# Altium PCB PCB1_lsit.PcbDoc (part 2 of 2)
Units mil, origin at the board's own origin, x right, y up, seen from the top; angles counter-clockwise.
Board outline 2771.38 x 2850.31 mil, 2 copper layers (Top Layer, Bottom Layer); 97 components, 68 nets, 354 pads, 118 vias.
Unrouted connection lines stored in the file: 70.
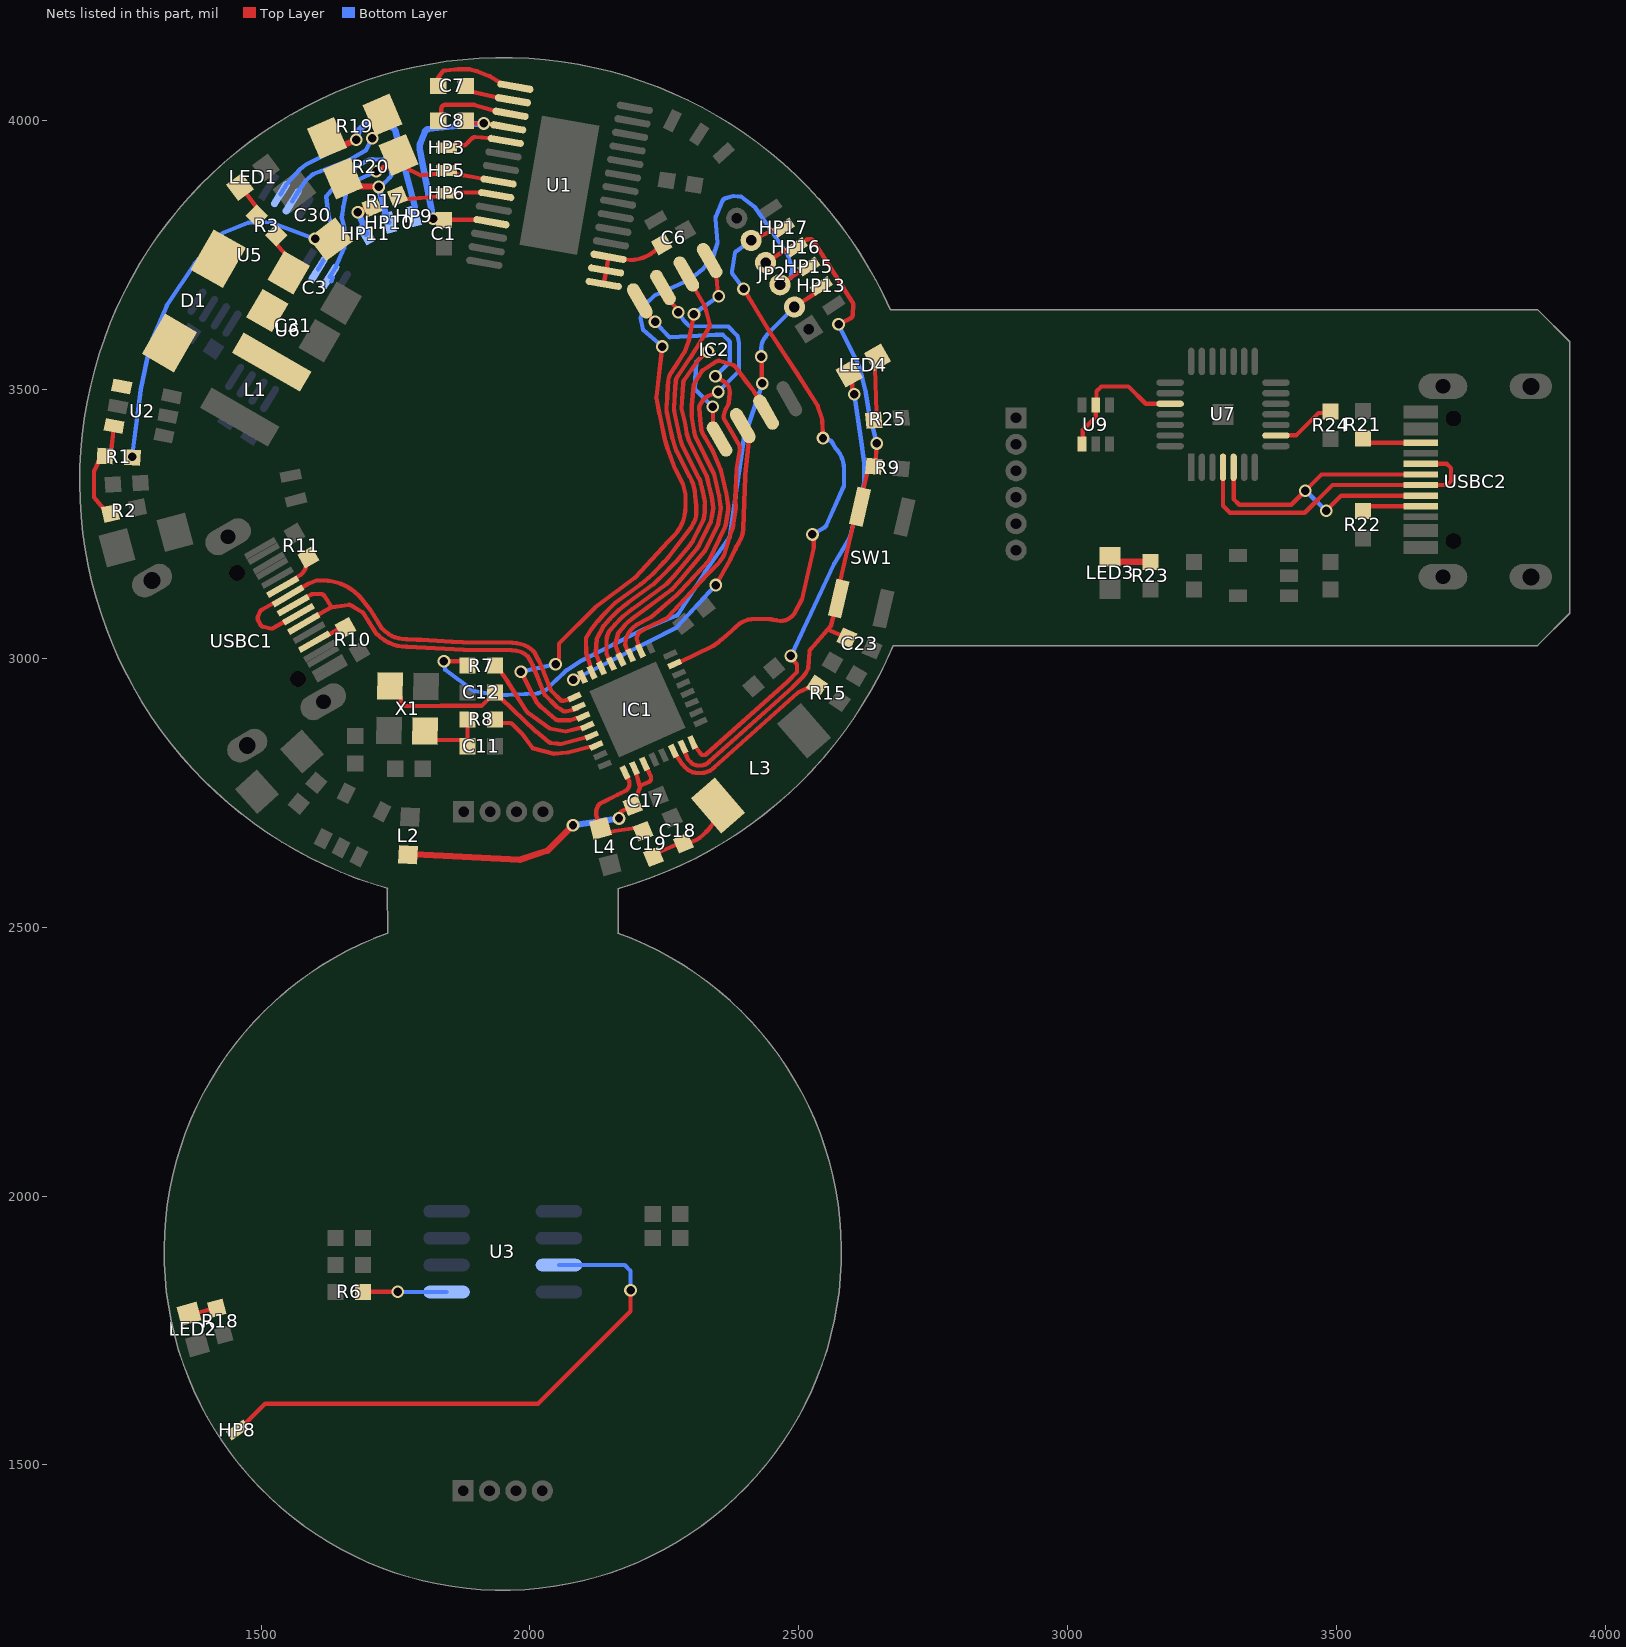
[diagram p2: the nets of this part, all layers, seen from the top]

## Via types
v1: diameter 23.62, hole 15.75, Top Layer to Bottom Layer, tented both sides, 106 vias
v2: diameter 23.62, hole 11.81, Top Layer to Bottom Layer, 8 vias
v3: diameter 24, hole 12, Top Layer to Bottom Layer, tented both sides, 3 vias
v4: diameter 24, hole 12, Top Layer to Bottom Layer, tented bottom, 1 vias

## Nets (pads, with @x,y where several pads share a name; then routed paths per layer and width w, separated by ;. In a path a pad name is that pad's centre, name@x,y a point inside that pad or via, vN(x,y) a via of type N, cw(c..) or ccw(c..) an arc to the next point about the centre after c; other vN are vias at no path point) (continued)
IO9: HP17.1 IC1.15 JP2.5 | length 1120.7
  Top Layer w8: IC1.15@2269.09,2989.63 2277.38,2992.64 2340.47,3023.26 2350.84,3030.66 2354.53,3034.35 2355.31,3034.35 2356.99,3035.77 2374.99,3051 2383.01,3059.02 cw(c2418.16,3023.87) 2418.16,3073.57 2428.8,3073.57 2445.71,3072.93 ; v1(2397.26,3687.34) 2402.93,3678.05 2412.28,3662.72 2442.42,3613.32 2494.61,3533.31 2535.07,3470.04 2542.25,3448.63 cw(c2521.57,3441.7) 2543.35,3442.79 v1(2545,3410) ; JP2.5@2411.39,3777.55 2455.24,3797.42 HP17.1@2471.58,3801.06 ; 2445.74,3072.93 cw(c2444.45,3036.95) 2445.9,3072.92 ; 2445.93,3072.92 cw(c2444.45,3036.95) 2451.57,3072.24 2451.83,3072.19 2458.51,3070.85 2465.19,3069.52 ccw(c2465.19,3101.16) 2487.56,3078.79 2491.33,3082.56 2505.81,3110.37 2507.82,3118.01 2528.07,3207.35 2528.07,3227.91 2525.72,3230.25 v1(2525.34,3230.64)
  Bottom Layer w8: v1(2397.26,3687.34) 2377.39,3714.59 2375.85,3716.7 2375.85,3719.31 2375.85,3719.93 2381.35,3755.03 2383.64,3757.31 2384.14,3757.68 JP2.5@2411.39,3777.55 ; v1(2525.34,3230.64) 2547.76,3243.7 ccw(c2543.74,3250.61) 2551.05,3247.36 2569.98,3289.95 cw(c2577.29,3286.7) 2570.03,3290.06 2583.49,3319.36 ccw(c2576.22,3322.7) 2584.12,3323.98 2584.12,3352.65 ccw(c2528.63,3352.65) 2567.87,3391.89 2561.52,3402.46 ; v1(2545,3410) 2557.19,3405.94 cw(c2554.66,3398.35) 2561.5,3402.49
NetC6_2: C6.2 U1.15 U1.16 U1.17 | length 159.3
  Top Layer w8: U1.15@2137.22,3696.6 U1.16@2141.66,3721.8 U1.17@2146.11,3747 2173.03,3742.25 2185.81,3741.18 ccw(c2185.81,3814.52) 2237.66,3762.66 C6.2@2245,3770
NetC7_1: C7.1 U1.1 | length 172.9
  Top Layer w8: C7.1@1829.41,4065 1827.79,4073.67 1827.65,4074.39 1827.65,4077.61 1836.57,4090.63 1839.08,4093.14 1851.19,4094.49 1865.72,4096.1 1888.22,4095.63 1902.07,4092.01 1925.59,4082.81 1950.54,4067.33 1952.05,4067.06 U1.1@1972.77,4063.41
NetC7_2: C7.2 U1.2 | length 93.9
  Top Layer w8: C7.2@1880.59,4065 1891.59,4054 1941.41,4042.95 U1.2@1968.33,4038.2
NetC8_2: C8.2 U1.3 | length 158.9
  Top Layer w8: C8.2@1829.41,4000 1835,4011 1835,4022 cw(c1843,4022) 1843,4030 1894.03,4030 cw(c1894.03,4022) 1896.28,4029.68 1936.96,4017.75 U1.3@1963.88,4013
NetC11_2: C11.2 R8.2 X1.1 | length 139.3
  Top Layer w8: X1.1@1805,2865 1824.34,2848.64 1872.74,2847.8 C11.2@1883.74,2836.8 1883.74,2875.8 R8.2@1883.74,2886.8
NetC12_1: C12.1 IC1.29 X1.3 | length 446.6
  Top Layer w8: X1.3@1739.52,2948.83 1759.59,2928.77 1759.59,2917.33 1765.25,2911.67 1833.76,2911.67 1833.89,2911.8 1909.93,2911.8 C12.1@1934.94,2936.81 1945.94,2925.81 2009.86,2865.14 2009.94,2865.07 ccw(c2016.75,2874.42) 2011.13,2864.31 2035.12,2844.55 ccw(c2040.22,2850.72) 2039.37,2842.76 ; 2039.41,2842.76 2052.42,2841.44 2058.13,2840.86 2106.25,2854.14 IC1.29@2114.9,2856.34
NetC17_2: C17.2 IC1.2 IC1.3 L2.2 | length 585.5
  Top Layer w8: v1(2165.59,2702.46) 2165.11,2702.94 2165.11,2709.13 2165.11,2710.83 2169.8,2715.52 2184.77,2722.61 C17.2@2191.11,2725.83 2197.44,2740.04 2204.06,2758.78 2204.58,2760.46 ccw(c2196.58,2760.35) 2204.24,2762.64 ; IC1.2@2194.71,2795.88 2196.91,2787.23 2204.24,2762.64 ; IC1.3@2212.7,2803.88 2217.38,2796.34 2225.01,2779.13 2225.01,2774.12 2222.67,2771.78 ; 2222.65,2771.76 2221.67,2770.78 2220.4,2770.19 2204.24,2762.64
  Top Layer w12: L2.2@1773.17,2635.05 1784.73,2636.02 1980.93,2625.74 2032.61,2642.61 v1(2080,2690)
  Bottom Layer w12: v1(2080,2690) 2161.91,2701.93 v1(2165.59,2702.46)
NetC18_2: C18.2 C19.2 L3.1 | length 166.1
  Top Layer w8: C19.2@2229.58,2631.27 2238.47,2638.64 2274.27,2654.58 C18.2@2285.4,2656.62 ccw(c2285.4,2707.85) 2287.83,2656.68 ccw(c2285.4,2707.85) 2294.7,2657.47 ccw(c2285.4,2707.85) 2321.63,2671.63 2330.48,2680.48 ccw(c2284.27,2726.7) 2347.54,2710.31 ccw(c2284.27,2726.7) L3.1@2349.62,2726.7
NetC19_1: C19.1 IC1.1 L4.2 | length 211.6
  Top Layer w8: L4.2@2129.03,2697.13 cw(c2143.15,2711.25) 2123.18,2711.25 2123.18,2713.52 cw(c2146.48,2713.52) 2130,2730 2140.02,2735.01 2162.93,2746.47 2168.61,2749.31 2178.61,2754.31 ccw(c2175.07,2761.48) 2181.37,2756.55 ccw(c2167.93,2767.07) 2185,2767.07 2185,2767.91 ccw(c2172.43,2767.91) 2181.32,2776.8 cw(c2192.39,2787.87) IC1.1@2176.73,2787.87 ; L4.2@2130.94,2683.81 2146.9,2676.43 2157.48,2679.26 2196.09,2684.81 C19.1@2210.41,2678.73
NetD1_1: D1.1 L1.1 U2.1
NetHP8_1: HP8.1 U3.3 | length 1035.1
  Top Layer w8: HP8.1@1456,1565 1458.42,1565 1507.42,1614 2015,1614 2187,1786 v1(2187,1825)
  Bottom Layer w8: U3.3@2053.86,1871.75 2176.25,1871.75 2187,1861 v1(2187,1825)
NetIC1_6: IC1.6 R15.2 | length 350
  Top Layer w8: IC1.6@2266.65,2827.9 2282.18,2804.66 2282.55,2804.11 2289.82,2796.38 ccw(c2312.22,2818.78) 2312.22,2787.1 2318.04,2787.1 ccw(c2318.04,2821.67) 2339.64,2794.68 ccw(c2318.04,2821.67) 2342.48,2797.23 2498.39,2936.8 2518.52,2946.34 R15.2@2533.79,2949.31 ; R15.2@2533.04,2953.19 R15.2@2538.79,2954.31
NetIC1_28: IC1.28 R7.1 | length 229.3
  Top Layer w8: R7.1@1934.93,2986.8 1945.93,2975.8 1958.25,2957.36 cw(c1949.94,2951.81) 1958.36,2957.2 1994.13,2901.31 ccw(c2000.87,2905.62) 1996.14,2899.17 2036.47,2869.84 2066.46,2864.14 2098.24,2872.12 IC1.28@2106.89,2874.32
NetIC1_30: IC1.30 R8.1 | length 214.4
  Top Layer w8: R8.1@1934.93,2886.8 1945.93,2880 1961.69,2880 cw(c1961.69,2872) 1967.36,2877.64 1984.6,2860.4 cw(c1978.93,2854.76) 1985.33,2859.56 2005.16,2833.12 2044.39,2822.67 2069.38,2824.94 ccw(c2068.65,2832.91) 2070.61,2825.15 2114.25,2836.16 IC1.30@2122.9,2838.35
NetLED1_1: LED1.1 R3.1 | length 64.8
  Top Layer w8: LED1.1@1460.79,3876.76 1471.52,3865.7 1491.9,3838.65 R3.1@1491.9,3823.09
NetLED2_1: LED2.1 R18.1 | length 52.4
  Top Layer w8: LED2.1@1366.15,1781.28 1381.57,1782.82 1406.57,1789.52 R18.1@1417.37,1791.72
NetLED3_1: LED3.1 R23.1 | length 79
  Top Layer w12: LED3.1@3079,3189.32 3088.72,3179.59 R23.1@3154,3179.59
NetLED4_1: LED4.1 R25.2 | length 121.6
  Top Layer w8: R25.2@2634.51,3442.77 2642.71,3452.54 2644.58,3454.77 2644.58,3457.83 2641.7,3539.51 2641.7,3540.57 2641.91,3541.46 LED4.1@2646.25,3560.16
NetR1_1: R1.1 R2.2 U2.3 | length 188.8
  Top Layer w8: R2.2@1219.97,3269.68 1206.93,3278.15 1189,3300.1 1189,3347.64 1197.88,3365.93 R1.1@1209.44,3376.34 1221,3386.74 1225.5,3424.54 U2.3@1226.49,3432.3
NetR6_1: R6.1 U3.5 | length 155.4
  Top Layer w8: R6.1@1689.59,1822 v1(1754,1822)
  Bottom Layer w8: v1(1754,1822) 1754.12,1821.88 1844.76,1821.88 U3.5@1844.88,1821.75
NetR10_2: R10.2 USBC1.B5 | length 64.4
  Top Layer w8: USBC1.B5@1599.08,3030.99 1624.7,3043.58 1645.44,3055.55 R10.2@1657.21,3057.16
NetR11_1: R11.1 USBC1.A5 | length 76.3
  Top Layer w8: USBC1.A5@1540.03,3133.28 1563.74,3149.17 1575.09,3156.77 1576.17,3157.85 1582.08,3166.47 1583.77,3172.81 R11.1@1587.8,3187.84
NetR21_2: R21.2 USBC2.B5 | length 110.9
  Top Layer w8: R21.2@3549,3409 3556.65,3401.35 USBC2.B5@3656.72,3401.34
NetR22_1: R22.1 USBC2.A5 | length 111.5
  Top Layer w8: R22.1@3549,3274 3558.24,3283.24 USBC2.A5@3656.72,3283.24
NetR24_2: R24.2 U7.9 | length 120.2
  Top Layer w8: U7.9@3387.43,3414.63 3388.15,3415.36 3425.36,3415.36 3466.69,3456.69 3486.11,3456.69 R24.2@3489,3459.59
OUT1_N: HP9.1 R19.2 U5.2 | length 504.3
  Top Layer w8: R19.2@1622.45,3967.69 1625.41,3964.73 R19.2@1628.76,3964.73
  Top Layer w12: R19.2@1622.45,3967.69 1628.76,3964.73 1651.62,3954.01 v1(1676.89,3964.73)
  Bottom Layer w8: U5.2@1535.91,3863.62 1546.86,3881.15 1572.02,3909.48 1583.41,3918.71 v1(1676.89,3964.73)
  Bottom Layer w12: v1(1676.89,3964.73) 1681.18,3979.76 1682.04,3982.75 1684.71,3985.43 1699.68,3997.37 1704.25,3997.37 1724.04,3996.13 1726.48,3995.98 1745.6,3986.42 1749.32,3982.7 1750.13,3979.49 1763.92,3924.72 1786.13,3839.58 HP9.1@1784.55,3822.92
OUT1_P: HP3.1 R19.1 U1.5 U5.3 | length 347.3
  Top Layer w8: v1(1706.38,3967.55) 1714.65,3977.5 R19.1@1720.79,3996.34 ; HP3.1@1845,3950 1860.69,3954.54 1876.23,3954.54 ccw(c1876.23,3962.54) 1881.89,3956.89 1885.01,3960.01 1892.39,3967.39 cw(c1898.05,3961.73) 1898.67,3969.71 ; 1898.68,3969.7 1928.08,3967.35 U1.5@1954.99,3962.6
  Bottom Layer w8: U5.3@1557.61,3850.06 1568.56,3867.59 1581.76,3887.61 1594.28,3899.12 cw(c1599.69,3893.23) 1596.82,3900.7 1659.42,3924.78 ccw(c1656.56,3932.25) 1660.53,3925.3 1692.89,3943.79 ccw(c1688.94,3950.75) 1696.07,3947.12 ; 1696.08,3947.15 v1(1706.38,3967.55)
OUT2_N: HP10.1 R20.2 U6.2 | length 483.3
  Top Layer w12: R20.2@1650.8,3884.08 1682.01,3878.08 1685.88,3877.97 1686.5,3877.95 v1(1718.55,3876.99)
  Bottom Layer w8: U6.2@1605.91,3723.62 1616.86,3741.15 1629.4,3763.92 ccw(c1622.4,3767.78) 1630.24,3766.21 1634.62,3788.1 ccw(c1626.77,3789.67) 1634.47,3791.86 1625.17,3824.39 cw(c1632.87,3826.58) 1624.93,3825.6 1620.85,3859.58 1654.18,3899.03 cw(c1660.29,3893.87) 1656.08,3900.67 1697.33,3926.26 cw(c1701.55,3919.47) 1699.88,3927.29 1702.75,3927.9 cw(c1707.28,3906.57) 1708.31,3928.35 1714.48,3928.06 ccw(c1715.14,3942.05) 1715.78,3928.06 1726.98,3928.57 1740.79,3911.6 1742.08,3901.76 cw(c1734.15,3900.71) 1739.88,3895.13 1739.81,3895.06 1731.1,3886.13 1719.4,3874.43 1719.23,3874.43 v1(1718.55,3876.99) ; HP10.1@1732.43,3825.19 1733.55,3822.48 HP10.1@1738.49,3810.58
  Bottom Layer w12: v1@1719.23,3874.43 HP10.1@1732.43,3825.19
OUT2_P: HP5.1 R20.1 U1.8 U6.3 | length 470.7
  Top Layer w8: R20.1@1765.35,3914.22 1797.53,3898.55 1829.31,3901.66 HP5.1@1845,3907.5 1860.69,3901.66 1914.74,3891.73 U1.8@1941.66,3886.99
  Top Layer w12: v1(1713.94,3906.26) 1740.46,3917.51 R20.1@1744.92,3931.95
  Bottom Layer w8: U6.3@1627.61,3710.06 1638.56,3727.59 1654.32,3763.46 ccw(c1647,3766.68) 1655,3766.68 1655,3799.02 ccw(c1647,3799.02) 1654.76,3800.96 1650,3820 1652.96,3840.71 cw(c1660.89,3839.61) 1653.04,3841.19 1659.33,3871.77 1659.33,3873.64 1672.6,3886.91 1679.3,3890.04 1711.58,3905.15 v1(1713.94,3906.26) ; 1630.43,3701.08 U6.3@1633.14,3707.85
OUT3_N: HP11.1 R17.2 | length 71.2
  Top Layer w12: v1(1680,3830) 1695.88,3836.74 1697.72,3837.52 R17.2@1706.45,3840.01
  Bottom Layer w12: v1(1680,3830) 1691.49,3803.77 HP11.1@1695,3790
OUT3_P: HP6.1 R17.1 U1.9 | length 186.5
  Top Layer w8: R17.1@1753.56,3860 1767.98,3854.18 1829.31,3859.16 HP6.1@1845,3865 1860.69,3866.53 1910.3,3866.53 U1.9@1937.22,3861.79
P3: IC1.8 LED4.2 | length 859.6
  Top Layer w8: IC1.8@2302.61,2843.92 2307.57,2836.5 2316.53,2823.81 ccw(c2323.06,2828.43) 2317.68,2822.51 2319.35,2820.99 2321.57,2820.57 ccw(c2323.06,2828.43) 2324.37,2820.54 2326.51,2820.88 2327.08,2821.4 2327.38,2821.69 2327.83,2821.69 2478.98,2957 2479.3,2957.3 2496.57,2974.57 2496.57,2989.29 2485.38,3000.47 v1(2485.38,3004.7) ; LED4.2@2593.75,3529.84 2600.66,3516.18 2599.28,3514.8 2599.28,3499.7 2603.08,3495.9 v1(2603.08,3491.67)
  Bottom Layer w8: v1(2485.38,3004.7) 2565.9,3176.51 2594.41,3224.01 ccw(c2587.55,3228.13) 2595.28,3226.08 2621.26,3325.67 2621.61,3326.02 2621.61,3363.71 2615,3410.01 v1(2603.08,3491.67)
RESET: C23.1 HP16.1 IC1.7 JP2.4 R9.1 SW1.1 SW1.2 | length 1340.2
  Top Layer w8: IC1.7@2284.63,2835.91 2287.27,2827.46 2293.98,2812.39 2299.76,2806.25 ccw(c2305.55,2811.77) 2299.99,2806.02 ccw(c2312.22,2818.78) 2312.22,2801.1 2318.04,2801.1 ccw(c2318.04,2821.67) 2332.63,2807.17 2332.86,2807.4 2333.08,2807.6 cw(c2342.48,2797.23) 2333.19,2807.69 2488.77,2946.97 2490.2,2948.41 2506.47,2964.67 ccw(c2496.57,2974.57) 2507.79,2966.2 2512.74,2972.83 2517.73,2981.59 2519.82,3012.32 ; JP2.4@2438.2,3736.27 2478.66,3761.36 HP16.1@2495,3765 2503.17,3766.82 2507.6,3774.4 2514.19,3778.69 cw(c2518.55,3771.98) 2518.58,3779.98 2520.56,3779.97 cw(c2520.52,3771.97) 2527.24,3776.3 2534.65,3764.72 2534.68,3764.68 2599.9,3662.76 cw(c2593.16,3658.45) 2601.15,3658.05 2600.21,3639.26 cw(c2592.22,3639.66) 2595.84,3632.53 v1(2573.9,3621.41) ; 2519.82,3012.34 cw(c2527.8,3011.78) 2521.77,3017.03 2559.28,3060.2 2572.7,3108.35 cw(c2580.41,3106.23) 2572.71,3108.41 2572.95,3109.26 2573.39,3110.06 SW1.1@2574.32,3111.77 SW1.1@2571.88,3109.1 ; 2557.76,3052.38 C23.1@2589.58,3038.21 ; SW1.1@2569.58,3112.87 2576.39,3142.4 2601.62,3251.66 2608.69,3282.29 2619.47,3312.06 2627.59,3347.23 R9.1@2639.5,3357.23 2642.64,3367.99 2644.97,3394.65 2645,3395 v1(2645,3400)
  Bottom Layer w8: v1(2573.9,3621.41) 2612.81,3541.82 cw(c2605.63,3538.3) 2613.38,3540.27 2624.24,3496.98 cw(c2603.08,3491.67) 2624.64,3494.97 2629.93,3460.42 ccw(c2637.84,3461.63) 2630.07,3459.73 ; 2630.08,3459.69 v1(2645,3400)
RTS: U7.24 U9.1 U9.5 | length 263.4
  Top Layer w8: U9.1@3026.63,3398.76 3028,3400.13 3028,3425 3052.22,3449.22 U9.5@3052.22,3471.2 3053.66,3472.65 3053.66,3496.98 3062.69,3506 3113,3506 3145.32,3473.68 U7.24@3190.57,3473.68
SPI_VDD: IC1.18 IC2.8 | length 893.7
  Top Layer w8: 2197.99,3037.67 2203.09,3022.77 IC1.18@2205.29,3014.12 ; 2197.98,3037.71 2201.57,3047.19 2216.41,3056.28 2216.74,3056.49 2254.89,3075.07 2255.95,3076.13 2331.22,3157.57 2347.9,3174.25 ccw(c2298.21,3223.94) 2357.94,3186.92 ccw(c2351.12,3191.1) 2358.09,3187.18 2360.02,3190.57 ccw(c2353.06,3194.53) 2360.68,3192.08 2375.12,3237.59 cw(c2382.73,3235.12) 2375.36,3238.24 ccw(c2342.31,3252.5) 2377.84,3246.7 2382.35,3273.77 ccw(c2346.85,3279.74) 2382.52,3284.59 2382.49,3284.77 2381.64,3291.12 cw(c2389.57,3292.18) 2381.57,3292.5 2382.45,3313.42 2384.08,3352.09 2384.1,3352.57 2390.44,3391.47 2390.44,3394.26 2359.83,3447.27 2359.83,3450.62 2360.18,3451.76 2362.8,3460.33 cw(c2383.84,3453.89) 2364.3,3464.01 2368.74,3472.57 ccw(c2361.64,3476.25) 2369.59,3475.37 2371.59,3493.38 ccw(c2349.91,3495.79) 2361.8,3514.07 v1(2345,3525) ; IC2.8@2204.19,3665.04 2216.19,3644.26 2216.19,3643.35 2232.59,3626.95 v1(2232.59,3626.04)
  Bottom Layer w8: v1(2232.59,3626.04) 2259.69,3597.33 2330.74,3601.05 2345.27,3601.81 2359.03,3601.81 2371.81,3589.03 2371.81,3551.81 v1(2345,3525)
SPICLK: IC1.22 IC2.6 | length 855.3
  Top Layer w8: IC1.22@2133.35,2982.1 2130.4,2990.41 2122.9,3007.26 2122.21,3008.81 2122.21,3010.51 2122.21,3010.83 2124.22,3036.06 2124.95,3037.47 2136.43,3059.93 2137.11,3060.7 2148.56,3073.56 cw(c2159.02,3064.25) 2149.04,3074.07 2154.94,3080.06 ; 2154.95,3080.08 2159.93,3085.14 cw(c2205.56,3040.26) 2164.27,3089.16 2164.65,3089.48 cw(c2182.68,3068.06) 2165.16,3089.9 2174,3097 2181.27,3102.83 cw(c2190.03,3091.91) 2181.82,3103.25 2229.4,3137.73 ccw(c2224.71,3144.2) 2230.37,3138.55 2240.41,3148.59 2241.56,3149.74 2271.72,3179.9 ; 2271.73,3179.91 ccw(c2266.06,3185.56) 2272.19,3180.41 ; 2272.2,3180.43 2296.99,3209.93 ccw(c2290.88,3215.1) 2298.13,3211.72 cw(c2310.84,3205.85) 2300.97,3215.78 2301.29,3216.1 ccw(c2295.62,3221.75) 2302.78,3218.17 2308.96,3230.52 2312.08,3236.76 2315.2,3243 cw(c2327.72,3236.74) 2315.22,3243.05 2322.53,3257.68 ccw(c2315.38,3261.26) 2323.27,3259.94 2324.21,3265.57 ; IC2.6@2290.79,3715.04 2325.13,3655.57 2330.18,3637.06 2334.07,3622.78 cw(c2326.48,3620.25) 2333.91,3617.28 2315.59,3587.16 2299.61,3560.87 cw(c2292.75,3565) 2298.7,3559.65 ; 2298.67,3559.62 ccw(c2309.04,3550.21) 2297.49,3558.13 2274.68,3524.71 ccw(c2292.84,3512.3) 2270.89,3513.69 2270.39,3505.93 2267.79,3465.13 ccw(c2281.77,3464.26) 2268.07,3461.36 2278.12,3413.85 ccw(c2291.82,3416.75) 2278.42,3412.69 2282.91,3397.87 ccw(c2317.48,3407.93) 2283.6,3395.75 ccw(c2317.48,3407.93) 2283.78,3395.26 2313.58,3336.3 2314.44,3334.6 cw(c2308.55,3329.17) 2316.34,3331.02 2316.42,3330.67 2317.85,3324.64 2319.12,3319.32 2319.25,3318.76 2319.49,3317.73 ; 2319.5,3317.71 2319.85,3316.24 2320.22,3314.69 ccw(c2333.85,3317.85) 2320.25,3314.54 2323.45,3301.07 2323.9,3299.16 2324.13,3298.22 ; 2324.14,3298.17 cw(c2316.34,3296.37) 2324.21,3297.83 cw(c2316.34,3296.37) 2324.27,3297.44 2324.7,3294.24 2324.87,3293.01 2325.52,3288.2 2325.52,3286.7 2325.29,3285.76 2325.29,3272.73 cw(c2317.29,3272.73) 2325.18,3271.43 2324.21,3265.59
SPICS0: IC1.21 IC2.1 | length 882.7
  Top Layer w8: 2150.77,3054.99 ccw(c2176.85,3032.26) 2146.36,3048.6 ccw(c2176.85,3032.26) 2146.32,3048.53 2145.78,3047.48 ccw(c2176.85,3032.26) 2145.75,3047.4 ccw(c2176.85,3032.26) 2142.26,3032.3 2142.26,3019.69 2142.26,3009.52 2147.4,2997.98 IC1.21@2150.81,2990.3 ; 2150.8,3055.03 2151.18,3055.45 cw(c2176.85,3032.26) 2151.26,3055.54 cw(c2176.85,3032.26) 2152.39,3056.72 2157.82,3062.58 2158.78,3063.61 2159.02,3064.25 2169.91,3075.32 ; 2169.92,3075.33 cw(c2205.56,3040.26) 2172.81,3078.05 cw(c2205.56,3040.26) 2173.26,3078.42 2173.68,3078.78 cw(c2182.68,3068.06) 2173.92,3078.98 2189.88,3091.79 2190.03,3091.91 2253.55,3137.93 2254.53,3138.91 2254.63,3139.02 2266.39,3151.75 2309.23,3202.74 2310.84,3204.66 2310.84,3205.85 2313.71,3208.72 2327.72,3236.74 2336.01,3253.32 ccw(c2328.84,3256.88) 2336.73,3255.56 2338.02,3263.26 2340.69,3279.3 2340.69,3280.5 2338,3300.39 2337.91,3300.78 2333.86,3317.83 ; 2290.17,3427.44 2290.32,3426.46 2291.11,3421.3 ccw(c2340.54,3428.89) 2292.54,3414.87 2293.94,3410.06 2294.06,3409.64 cw(c2286.39,3407.38) 2294.08,3409.59 2294.11,3409.49 2294.27,3408.93 ccw(c2307.71,3412.85) 2295.18,3406.61 2328.33,3339.99 2328.44,3339.77 cw(c2321.27,3336.21) 2329.06,3338.06 2329.81,3334.88 2333.11,3320.97 2333.85,3317.88 ; 2290.16,3427.49 2288.51,3438.24 2281.77,3464.26 2284.86,3512.81 cw(c2292.84,3512.3) 2286.24,3516.81 2309.04,3550.21 2329.49,3570.66 v1(2331.09,3570.66) ; v1(2339.86,3467.92) 2340.54,3467.25 2340.54,3420.1 IC2.1@2352.54,3408.1
  Bottom Layer w8: v1(2331.09,3570.66) 2328.37,3570.66 2309.32,3551.61 2306.24,3501.55 v1(2339.86,3467.92)
SPID: IC1.23 IC2.5 | length 899.4
  Top Layer w8: 2104.35,3035.81 2104.35,3035.75 2104.71,3009.41 2113.17,2982.74 IC1.23@2115.37,2974.09 ; 2104.35,3035.86 2104.35,3038.07 2113.86,3053.95 2125.44,3068.61 cw(c2136.43,3059.93) 2125.95,3069.22 2137.52,3082.21 2138.11,3082.87 cw(c2159.02,3064.25) 2139.05,3083.88 2144.95,3089.88 2158.05,3103.19 2158.52,3103.66 2205.1,3137.4 ccw(c2200.39,3143.87) 2206.22,3138.39 2229.39,3157.98 2237.98,3167.18 2249.83,3179.87 2257.84,3189.08 2257.99,3189.26 2299.27,3242.79 2299.74,3243.4 2301.2,3246.31 2303.71,3251.34 2303.77,3251.46 2307.67,3259.26 2307.86,3259.83 ccw(c2282.15,3267.87) 2309.09,3267.87 2309.09,3283.73 2305.9,3314.38 ; 2295.12,3590.62 cw(c2287.28,3592.22) 2294.77,3589.38 2287.12,3569.18 2268.69,3540.78 cw(c2261.98,3545.13) 2268.6,3540.64 2263.11,3532.6 ccw(c2292.84,3512.3) 2256.92,3514.59 2256.42,3506.82 2255.12,3486.43 2253.82,3465.98 ccw(c2281.77,3464.26) 2254.37,3458.46 2259.58,3433.87 2264.44,3410.89 ccw(c2291.82,3416.75) 2265,3408.69 2269.63,3393.42 ccw(c2317.48,3407.93) 2270.61,3390.51 2272.18,3386.29 2272.34,3385.87 2293.8,3343.39 2296.05,3339.85 cw(c2289.3,3335.56) 2296.44,3339.17 2301.08,3329.99 2301.92,3328.33 ccw(c2314.44,3334.6) 2302.43,3327.39 cw(c2295.56,3323.29) 2303.35,3325.1 2303.63,3323.93 2304.21,3321.5 ; 2295.13,3590.65 v1(2305,3640) ; 2304.22,3321.46 cw(c2296.46,3319.51) 2304.24,3321.36 2305.49,3316.11 ; 2305.9,3314.37 2306.22,3313.05 ; 2306.22,3313.02 2306.58,3311.52 ccw(c2333.85,3317.85) 2306.63,3311.29 ; IC2.5@2334.09,3740.05 2346.09,3719.26 v1@2349.85,3676.68 ; v1@2349.85,3676.66 ccw(c2357.82,3677.38) v1(2350.82,3673.5)
  Bottom Layer w8: v1(2305,3640) 2310,3645 2310.58,3645.4 v1(2350.82,3673.5)
SPIHD: IC1.19 IC2.7 | length 904.3
  Top Layer w8: IC1.19@2187.3,3006.12 2182.34,3013.54 2179.79,3018.18 2179.4,3018.87 2177.2,3025.88 cw(c2218.12,3025.88) 2188.12,3053.71 ccw(c2182.23,3059.12) 2188.43,3054.06 cw(c2205.56,3040.26) 2191.8,3057.42 2197.06,3061.65 2197.62,3062.1 2224.75,3076.81 2272.62,3117.26 2272.96,3117.6 2273.07,3117.72 2279.7,3124.9 2332.83,3182.38 2362.11,3242.92 ccw(c2342.31,3252.5) 2364.01,3248.88 2368.55,3276.12 ccw(c2346.85,3279.74) 2368.65,3282.69 2365.56,3305.52 2355.19,3349.19 2355.04,3349.81 2340.51,3384.94 2340.24,3385.39 2325.95,3410.16 2324.82,3412.1 2321.45,3417.95 cw(c2340.54,3428.89) 2318.68,3426.4 2318.54,3427.64 2317.68,3435.21 2315.53,3454.11 2314.78,3466.75 cw(c2322.77,3467.22) 2316.12,3471.67 2321.74,3480.06 cw(c2339.86,3467.92) 2331.43,3488.04 v1(2349.91,3495.79) ; IC2.7@2247.49,3690.05 2259.49,3669.26 2259.49,3664.93 2272.62,3651.8 2272.62,3646.68 v1(2275.61,3643.69)
  Bottom Layer w8: v1(2275.61,3643.69) 2287.23,3627.36 ccw(c2305,3640) 2289.56,3624.59 ; 2289.58,3624.58 2295.97,3618.19 2301.32,3618.19 2369.09,3616.81 2384.19,3601.72 2385.78,3600.12 2387.82,3591.64 2388.72,3586.16 2388.72,3534.6 v1(2349.91,3495.79)
SPIQ: IC1.24 IC2.2 | length 654.3
  Top Layer w8: v1(2080.78,2960.42) 2085.01,2960.42 2088.81,2964.22 2095.52,2964.22 IC1.24@2097.39,2966.08 ; v1(2345.4,3136.48) 2372.33,3183.91 ccw(c2353.69,3195.59) 2373.31,3185.64 2382.49,3203.74 cw(c2390.49,3203.6) 2383.9,3208.13 2386.31,3211.68 ccw(c2368.15,3224.1) 2387.79,3214.2 2391.9,3222.3 2392.53,3223.53 ccw(c2372.93,3233.53) 2392.58,3223.63 ccw(c2372.93,3233.53) 2393.86,3226.73 ccw(c2341.99,3243.35) 2396.41,3241.15 2396.44,3242.08 2400.31,3337.84 2400.47,3341.64 2407.84,3412.32 IC2.2@2395.84,3433.1
  Bottom Layer w8: v1(2080.78,2960.42) 2271.23,3056.53 2271.78,3056.92 v1(2345.4,3136.48)
SPIWP: IC1.20 IC2.3 | length 801.9
  Top Layer w8: IC1.20@2169.15,2998.77 2166.02,3006.27 2158.61,3024.01 2158.61,3026.69 2164.24,3047.22 2165.38,3048.57 2176.16,3061.31 2176.19,3061.35 cw(c2218.12,3025.88) 2176.74,3061.99 2178.44,3063.93 cw(c2205.56,3040.26) 2182.53,3067.93 2182.73,3068.1 cw(c2187.84,3061.95) 2182.84,3068.18 2183.01,3068.32 ; 2183.03,3068.34 2188.83,3072.99 cw(c2197.62,3062.1) 2189.33,3073.38 2261.79,3126.61 ccw(c2253.55,3137.93) 2263.42,3128 ; 2263.45,3128.03 2264.43,3129.01 2264.62,3129.2 2276.9,3142.49 2277.02,3142.63 2324.84,3199.56 cw(c2332.37,3196.85) 2325.21,3200.42 ; 2325.22,3200.43 2349.46,3248.92 ccw(c2342.31,3252.5) 2350.21,3251.25 2354.27,3275.64 2354.73,3278.37 ; 2354.73,3278.38 ccw(c2346.85,3279.74) 2354.77,3280.86 2351.78,3302.96 2342.09,3343.75 2341.68,3344.57 2307.71,3412.85 2307.51,3413.53 2305.97,3418.81 cw(c2340.54,3428.89) 2304.96,3423.41 2300.62,3451.54 2300.77,3467.42 cw(c2322.77,3467.22) 2300.87,3469.34 2304.71,3508.97 cw(c2312.4,3506.79) 2305.54,3510.9 2319.04,3533.4 cw(c2325.9,3529.28) 2321.55,3535.99 2346.86,3552.27 cw(c2351.19,3545.54) 2353.55,3553.19 2377.52,3545.77 cw(c2375.15,3538.13) 2381.54,3542.94 ; 2381.56,3542.92 2400.89,3517.05 2416.73,3495.87 2427.14,3478.89 IC2.3@2439.14,3458.1
U0+: U7.4 USBC2.A6 USBC2.B6 | length 609
  Top Layer w8: U7.4@3289,3355.57 3289,3284 3302,3271 3441,3271 3492.61,3322.61 USBC2.A6@3656.72,3322.61 3705.61,3322.61 3713,3330 3713,3354 3705.03,3361.97 USBC2.B6@3656.72,3361.97
U0-: U7.5 USBC2.A7 USBC2.B7 | length 676.5
  Top Layer w8: U7.5@3308.68,3355.57 3308.68,3296.32 3319,3286 3416,3286 3472.28,3342.28 USBC2.A7@3656.72,3342.28 ; v1(3481,3275) 3508.91,3302.91 USBC2.B7@3656.72,3302.91
  Bottom Layer w8: v1(3442,3312) 3443,3312 3480,3275 v1(3481,3275)
U0RX: HP15.1 IC1.27 JP2.3 | length 1602
  Top Layer w8: v1(1983.16,2975.37) 2006.59,2929.87 2012.93,2917.54 2019.28,2911.2 ccw(c2026.16,2915.28) 2021.02,2909.15 ; 2021.04,2909.13 2047.78,2886.85 ccw(c2052.9,2893) 2052.9,2885 2073.7,2885 ccw(c2073.7,2893) 2076.24,2885.41 2090.23,2890.11 IC1.27@2098.88,2892.3 ; v1(2047.63,2989.08) 2047.63,2993.31 2053.98,2999.67 2053.98,3027.61 2121.45,3095.08 2194.68,3149.76 ccw(c2189.89,3156.17) 2195.77,3150.74 ; 2195.78,3150.75 2256.87,3217.04 2266.19,3226.36 ccw(c2210.72,3281.83) 2274.54,3236.23 ccw(c2210.72,3281.83) 2289.16,3281.83 2289.16,3304.61 ccw(c2281.16,3304.61) 2289.15,3305.14 2284.65,3323.93 2269.78,3353.36 cw(c2307.29,3372.25) 2267.97,3357.48 2257.49,3385.63 cw(c2317.48,3407.93) 2256.23,3389.36 2251.6,3404.63 cw(c2291.82,3416.75) 2250.74,3407.99 2240.68,3455.57 cw(c2281.77,3464.26) 2240.53,3456.31 2235.23,3483.78 cw(c2243.09,3485.3) 2235.14,3486.22 v1(2246.21,3580.18) ; JP2.3@2465,3695 2504.92,3720.92 HP15.1@2518.42,3728.94
  Bottom Layer w8: v1(1983.16,2975.37) v1(2047.63,2989.08) ; v1(2246.21,3580.18) 2210.33,3611.1 2205.45,3633.62 2215.86,3659.66 2231.78,3675.24 2296.14,3703.84 2321.12,3723.9 2340.93,3748.66 2348.93,3772.83 2345.17,3818.01 ; 2345.16,3818.05 cw(c2353.14,3818.68) 2345.8,3821.86 2358.5,3851.5 cw(c2365.86,3848.35) 2363.66,3856.04 2378.46,3860.27 2393,3858.76 2418.59,3839.03 2479.48,3750.7 2479.84,3749.55 2487.31,3725.72 2484.8,3708.2 JP2.3@2465,3695
U0TX: HP13.1 JP2.2 R7.2 | length 1248.3
  Top Layer w8: v1(1840,2995) 1872.74,2995 R7.2@1883.74,2986.8 ; v1(2430.38,3561.5) 2431.29,3560.58 2431.29,3512.51 v1(2432.2,3511.59) ; JP2.2@2491.8,3653.73 2531.72,3679.65 HP13.1@2541.84,3692.87
  Bottom Layer w8: v1(1840,2995) 1842.33,2978.7 1893.54,2941.07 ccw(c1898.28,2947.52) 1896.76,2939.66 1939.49,2931.49 ; 1939.53,2931.48 ccw(c1941,2939.34) 1941.42,2931.35 2013.54,2934.93 ; 2013.58,2934.93 ccw(c2013.15,2942.92) 2016.37,2935.59 2029.66,2941.38 2039.96,2951.69 2065.75,2976.22 cw(c2080.78,2960.42) 2068.93,2978.73 2094.39,2995.21 2208.51,3052.89 2272.17,3079.5 ; 2272.2,3079.51 ccw(c2269.09,3086.88) 2275.84,3082.59 2324.9,3159.83 cw(c2331.65,3155.55) 2325.12,3160.16 2370,3223.75 2371.11,3225.32 2397.45,3407.37 2397.68,3408.04 v1(2432.2,3511.59) ; v1(2430.38,3561.5) 2430.38,3578.18 cw(c2459.82,3578.18) 2438.58,3598.57 ; 2439,3599 ccw(c2459.82,3578.18) 2438.58,3598.57 ; JP2.2@2491.8,3653.73 2444.54,3606.46 ccw(c2469.8,3581.2) 2438.58,3598.57
USBD+: IC1.26 USBC1.A6 USBC1.B6 | length 710
  Top Layer w8: USBC1.A6@1559.71,3099.18 1584.18,3113.76 1593.14,3118.93 cw(c1597.14,3112) 1597.14,3120 1610.73,3120 cw(c1610.73,3112) 1617.38,3116.45 1631.57,3095.22 ; USBC1.B6@1579.4,3065.08 1603.78,3079.81 1628.11,3093.86 cw(c1632.7,3087.3) 1631.57,3095.22 ; 1667.4,3098.56 ccw(c1663.32,3091.68) 1662.19,3099.6 1631.57,3095.22 ; 1667.44,3098.54 1688.35,3085.99 cw(c1684.23,3079.13) 1690.99,3083.41 ; 1691.02,3083.37 1713.68,3047.11 ; 2008.12,2980.05 2007.26,2982.2 ccw(c1999.8,2979.3) 2007.23,2982.27 2005.16,2987.44 ccw(c1997.73,2984.49) 2004.76,2988.31 ccw(c1997.73,2984.49) 2004.45,2988.82 cw(c2023.04,3000.6) 2003.68,2990.13 cw(c2015.92,2996.94) 2003.6,2990.29 2001.75,2993.65 1996.58,3003.09 ccw(c1989.56,2999.25) 1995.74,3004.33 1995.7,3004.38 ccw(c1968.81,2974.86) 1968.75,3014.79 cw(c1968.81,3028.79) 1963.99,3015.65 cw(c1968.81,3028.79) 1963.87,3015.69 1882.85,3015.7 cw(c1882.85,3029.7) 1882.09,3015.72 1876.74,3016.01 1771.19,3021.78 ccw(c1770,3000) 1770.19,3021.81 1770.09,3021.81 cw(c1770.09,3096.92) 1770.02,3021.81 cw(c1770.09,3096.92) 1716.98,3043.81 1716.28,3044.51 ; 2008.14,2980.01 2008.88,2978.15 2027.06,2932.7 2048.79,2910.97 2049.4,2910.36 2063.29,2901.39 2065.65,2901.39 2066.61,2901.39 2067.54,2901.62 2087.72,2906.55 2089.3,2908.13 2089.98,2908.81 2090.48,2909.64 IC1.26@2090.88,2910.29 ; 1713.68,3047.11 ccw(c1720.49,3051.32) 1716.28,3044.51 ; 1713.68,3047.11 1716.28,3044.51
USBD-: IC1.25 USBC1.A7 USBC1.B7 | length 812.5
  Top Layer w8: USBC1.A7@1569.55,3082.14 1544.25,3069 1522.8,3056.62 cw(c1518.8,3063.55) 1516.85,3055.79 ccw(c1514.9,3048.03) 1516.74,3055.81 1503.16,3059.21 cw(c1504.93,3066.15) 1500.68,3060.39 1499.17,3061.89 cw(c1504.93,3066.15) 1498.5,3063.01 1493.45,3073.1 1493.45,3076.74 1494.18,3078.33 1499.14,3089.14 cw(c1504.8,3083.49) 1500.87,3090.45 1524.25,3103.64 USBC1.B7@1549.87,3116.23 1574.27,3130.92 1588.86,3139.34 1602.52,3145 1614.63,3145 cw(c1614.63,3051.16) 1633.31,3143.12 cw(c1614.63,3051.16) 1647.43,3139.08 cw(c1614.63,3051.16) 1653.44,3136.6 cw(c1614.63,3051.16) 1680.99,3117.52 1683.54,3114.96 1701.34,3092.97 cw(c1684.23,3079.13) 1702.88,3090.8 1709.41,3080.39 1709.47,3080.3 1724.88,3055.71 1726.83,3053.76 ccw(c1770.09,3096.92) 1736.76,3045.7 ccw(c1770.09,3096.92) 1770.09,3035.81 cw(c1770,3000) 1771.99,3035.76 1789.92,3034.78 ccw(c1790.35,3042.76) 1790.35,3034.76 1797.75,3034.76 1854.96,3031.36 1875.16,3030.12 ; 1875.18,3030.12 1882.64,3029.71 ccw(c1883.07,3037.7) 1882.74,3029.7 ccw(c1883.07,3037.7) 1883.07,3029.7 1963.85,3029.7 cw(c1963.85,3015.7) 1963.91,3029.7 cw(c1963.85,3015.7) 1968.81,3028.79 cw(c1968.81,2974.86) 2005.76,3014.15 cw(c1968.81,2974.86) 2006.93,3013.01 2007.32,3012.62 2015.92,2996.94 cw(c2003.68,2990.14) 2015.95,2996.88 cw(c2003.68,2990.14) 2015.99,2996.8 ccw(c2023.04,3000.6) 2016.28,2996.32 cw(c1997.73,2984.49) 2017.68,2993.75 ccw(c2024.92,2997.16) 2017.85,2993.42 2020.26,2987.41 2021.12,2985.24 2038.38,2942.09 2038.99,2940.57 2058.18,2921.37 2062.4,2921.37 2075.03,2924.26 IC1.25@2082.87,2928.27
VCC: C1.2 C3.2 C8.1 C30.2 C31.2 D1.2 R1.2 R3.2 U1.4 U1.11 | length 1167.7
  Top Layer w8: v1(1260,3375) R1.2@1260.55,3373.66 ; R3.2@1528.09,3786.91 1528.09,3771.35 1544.46,3752.3 C3.2@1551.31,3717.16 ; C1.2@1840,3815.59 1851,3816.13 1901.41,3816.13 U1.11@1928.33,3811.38 ; C8.1@1880.59,4000 1891.59,3995.07 v1(1913.91,3995.07) cw(c1913.91,3987.07) 1915.01,3995 1932.52,3992.55 U1.4@1959.44,3987.8
  Bottom Layer w8: v1(1260,3375) 1275.96,3499.68 cw(c1283.89,3498.66) 1276.06,3500.28 1293.84,3584.22 ; 1293.84,3584.26 cw(c1301.66,3582.57) 1294.3,3585.7 1324.71,3656.33 cw(c1332.06,3653.17) 1325.4,3657.61 1376.66,3734.49 cw(c1383.32,3730.06) 1377.41,3735.45 1427.15,3789.92 1427.27,3790.06 1428.57,3791.35 1474.9,3809.77 1476.18,3810.28 1515.55,3811.71 1517.15,3811.71 1518.52,3811.2 v1(1600.21,3780.48)
  Bottom Layer w12: v1(1820.05,3817.6) 1795.27,3946.74 1795.23,3953.28 cw(c1803.2,3954.02) 1795.75,3956.93 1804.51,3979.61 cw(c1811.98,3976.73) 1811.17,3984.69 v1(1913.91,3995.07)
pads on no net: L3.2 U2.6 U4.4 U7.1 U7.2 U7.10 U7.11 U7.12 U7.13 U7.14 U7.15 U7.16 U7.17 U7.18 U7.19 U7.20 U7.21 U7.22 U7.23 U7.27 U8.4 USBC1. USBC1.A8 USBC1.B8 USBC2. USBC2.A8 USBC2.B8

## Polygon pours and split planes (outlines as drawn)
GND on Top Layer "GND_L01_P025" (solid, pour order 25): 1735.03,2489.09 1735,2572.41 1735.03,2572.51 cw(c1950,3330) 2669.71,3649.41 2669.71,3649 3874,3649 3934,3589 3934,3084 3874,3024 2675.46,3024 2675.55,3023.96 cw(c1950.02,3329.92) 2163.74,2572.08 2163.74,2489.22 2163.69,2489.09 cw(c1949.37,1896.75)
+5 on Top Layer "+5_L01_P016" (solid, pour order 16): 3625,3415 3625,3438 3762,3438 3782,3418 3782,3243 3765,3226 3625,3226 3625,3249 3626,3248 3733,3248 3744,3259 3744,3399 3728,3415
+5 on Top Layer "+5_L01_P019" (solid, pour order 19): 3782,3109 3769,3096 3460,3096 3460,3146.13 3522.87,3146.13 3549,3120 3748.95,3120 3755.98,3127.03 3756,3139 3782,3139
+5 on Top Layer "+5_L01_P020" (solid, pour order 20): 3467.94,3146.1 3468,3096 3374,3096 3364,3106 3364,3135 3450,3135 3460,3146.13
+5 on Top Layer "+5_L01_P021" (solid, pour order 21): 3364,3120.5 3364,3200 3370,3206 3431,3206 3431,3179 3428,3176 3386,3176 3380,3170 3380,3121
+5 on Top Layer "+5_L01_P009" (solid, pour order 9): 1551.15,3179.45 1496.23,3146.88 1490.62,3140.83 1490.4,3127.44 1479.87,3099.87 1443.25,3061.35 1397.57,3064.02 1326.37,3179.69 1306.11,3260.34 1359.44,3272.01 1374.33,3212.85 1392.04,3180.65 1413.57,3153.68 1442.75,3136.98 1464.27,3137.62 1474.45,3148.94 1482.4,3161.33 1483.8,3167.17 1539.95,3198.96
+5 on Top Layer "+5_L01_P013" (solid, pour order 13): 1581.96,2766.94 1603.51,2748.8 1606.7,2721.53 1612.56,2684.92 1597.93,2656.05 1617.22,2645.54 1633.71,2673.61 1649.12,2703.19 1625,2715 1629.86,2765.93 1600.46,2790.41
+5 on Top Layer "+5_L01_P012" (solid, pour order 12): 1635,3035 1645,3015 1590,2985 1583.61,2980.66 1558.2,2985 1530,2970 1535,2925 1580,2865 1615,2825 1617.06,2822.06 1624.19,2771.41 1604.98,2747.41 1580.97,2767.39 1575.4,2786.28 1534.66,2831.82 1497.95,2894.7 1470,2950 1470,2980 1495,3000 1520,3010 1538.14,3018.66 1562.85,3002.19 1577.41,3002.97
OUT1_P on Top Layer "OUT1_P_L01_P008" (solid, pour order 8): 1984.18,3950.93 1923.17,3961.19 1897.9,3957.58 1879.65,3944.28 1866.35,3939.72 1824.53,3939.34 1806.48,3947.13 1781.77,3982.86 1765.04,3991.79 1713.15,3970.32 1688.83,4030 1738.24,4052.23 1760,4055 1775,4045 1795.53,4010.53 1806.29,3984.19 1810.28,3977.16 1857.79,3976.02 1927.55,3974.31 1986.66,3964.24
OUT2_P on Top Layer "OUT2_P_L01_P007" (solid, pour order 7): 1946.83,3879.28 1865.73,3896.48 1798.73,3893.12 1742.59,3897.91 1718.79,3954.04 1768.59,3975.77 1802.48,3931.92 1814.25,3923.26 1823.3,3919.25 1863.4,3918.86 1880.35,3915.24 1897.03,3905.93 1909.32,3900.11 1950.06,3892.73
OUT3_P on Top Layer "OUT3_P_L01_P006" (solid, pour order 6): 1954.44,3853.86 1906.08,3860.52 1869.55,3861.23 1864.59,3855.2 1827.53,3855.03 1771.32,3850.59 1745.97,3841.02 1734.09,3868.32 1761.92,3879.14 1802,3880.38 1864.41,3875.42 1905.72,3874.71 1957.85,3865.49
VCC on Top Layer "VCC_L01_P005" (solid, pour order 5): 1590,3730 1645,3725 1701.66,3759.78 1793.33,3794.8 1857.5,3797.79 1893.78,3811.12 1931.98,3805.27 1934.26,3816.48 1901.39,3822.75 1865.2,3825.81 1855.21,3840.23 1785,3840.23 1690,3805 1637.65,3819.71 1585,3785 1543.02,3757.57 1515,3710
VCC on Top Layer "VCC_L01_P003" (solid, pour order 3): 1365,3725 1430,3690 1450,3645 1520,3605 1590,3730 1543.85,3756.81 1503.83,3687.61 1480,3700 1471.35,3763.4 1410.39,3798.94
NetD1_1 on Top Layer "NETD1_1_L01_P002" (solid, pour order 2): 1220,3495 1230,3545 1305,3645 1320,3645 1395,3615 1455,3615 1595,3535 1570,3495 1445,3570 1390,3570 1360,3525 1340,3525 1295,3550 1263.27,3532.93 1255.02,3488.65
+5 on Top Layer "+5_L01_P001" (solid, pour order 1): 1315,3335 1359.81,3391.16 1482.75,3360.13 1485.71,3352.97 1541.78,3429.69 1403.22,3509.69 1375.72,3462.06 1350.66,3462.2 1320,3460
+5 on Top Layer "+5_L01_P000" (solid, pour order 0): 1320,3200 1305,3265 1285,3325 1285,3370 1295,3430 1300,3435 1305,3470 1354.23,3461.59 1334.52,3372.75 1331.26,3326.12 1359.81,3268.84 1374.31,3213.33
GND on Bottom Layer "GND_L02_P026" (solid, pour order 26): 1735.03,2489.09 1735,2572.41 1735.03,2572.51 cw(c1950,3330) 2669.71,3649.41 2669.71,3649 3874,3649 3934,3589 3934,3084 3874,3024 2675.46,3024 2675.55,3023.96 cw(c1950.02,3329.92) 2163.74,2572.08 2163.74,2489.22 2163.69,2489.09 cw(c1949.37,1896.75)

## Keep-outs
Top Layer:
  lines w8: 2369.97,2767.25 2463.6,2851.55 2539.5,2767.26 2445.87,2682.96 2369.97,2767.25
Keep-Out Layer:
  circle w10: c2489.39,1896.55 r43.31
  circle w10: c1409.23,1896.83 r43.31
  circle w8: c1758.42,2276.46 r98.43
  circle w8: c1689.72,1520.33 r35.43
  circle w8: c2209.01,1520.33 r35.43
  circle w10: c1410,3330 r43.31
  circle w10: c2490,3330 r43.31
  circle w8: c1759.06,3709.71 r59.06
  circle w8: c1950,3330 r275.59
  lines w8: 1735,2489.18 1735,2572.41 ; 1735.03,2489.09 ccw(c1949.37,1896.75) 2163.69,2489.09 ; 1735.03,2572.51 cw(c1950,3330) 2669.71,3649.41 ; 2163.74,2489.22 2163.74,2572.08 ccw(c1950.02,3329.92) 2675.55,3023.96 ; 2669.71,3649 3874,3649 3934,3589 3934,3084 3874,3024 2675.46,3024 ; 1464.75,2069.15 cw(c1555.67,2120.33) 1464.75,2171.51 1646.58,2171.51 cw(c1555.67,2120.33) 1646.58,2069.15 1464.75,2069.15 ; 2252.16,2069.15 cw(c2343.07,2120.33) 2252.16,2171.51 2433.98,2171.51 cw(c2343.07,2120.33) 2433.98,2069.15 2252.16,2069.15

## Other copper
Top Layer:
  region net +5: 3782,3243 3756,3243 3756,3109 3782,3109
  pour cut-out: 2489.39,1817.81 cw(c2489.39,1896.55) 2410.65,1896.55 cw(c2489.39,1896.55) 2489.39,1975.29 cw(c2489.39,1896.55) 2568.13,1896.55 cw(c2489.39,1896.55)
  pour cut-out: 1409.23,1818.01 cw(c1409.23,1896.75) 1330.49,1896.75 cw(c1409.23,1896.75) 1409.23,1975.49 cw(c1409.23,1896.75) 1487.97,1896.75 cw(c1409.23,1896.75)
  pour cut-out: 1410,3251.26 cw(c1410,3330) 1331.26,3330 cw(c1410,3330) 1410,3408.74 cw(c1410,3330) 1488.74,3330 cw(c1410,3330)
  pour cut-out: 2490,3251.26 cw(c2490,3330) 2411.26,3330 cw(c2490,3330) 2490,3408.74 cw(c2490,3330) 2568.74,3330 cw(c2490,3330)
  pour cut-out: 2819,3024 2759,3084 2759,3589 2819,3649 2669.89,3649 2694,3588 2717.24,3508.9 2734.03,3407.22 2737.4,3304.22 2727.3,3201.67 2703.9,3101.31 2675.51,3024
  pour cut-out: 2163.74,2572.08 2163.65,2571.99 2163.65,2488.99 2080,2512 2006,2524 1949.37,2526.55 1898,2524 1836,2516 1772,2501 1735,2489.18 1735,2572.41 1813.03,2554.53 1872.78,2545.97 1949.37,2542.52 2027.22,2545.97 2119,2560
  region net GND: 1196,3459 1260.96,3447.52 1267.2,3476.92 1201.64,3490.45
  pour cut-out: 1538.54,3431.56 1570,3495 1445,3570 1403.22,3509.69
  region net GND: 2014.77,4021.18 1968.91,3761.1 1974,3743 2093,3731 2095.23,3738.82 2141.09,3998.9 2122,4033
  pour cut-out: 2359,2671 2562,2848 2502,2919 2297,2740
  region net +5: 1385,3085 1483.98,2922.35 1530,2970 1475,3060 1480,3100
Bottom Layer:
  pour cut-out: 1410,3251.26 cw(c1410,3330) 1331.26,3330 cw(c1410,3330) 1410,3408.74 cw(c1410,3330) 1488.74,3330 cw(c1410,3330)
  pour cut-out: 2490,3251.26 cw(c2490,3330) 2411.26,3330 cw(c2490,3330) 2490,3408.74 cw(c2490,3330) 2568.74,3330 cw(c2490,3330)
  pour cut-out: 2819,3024 2759,3084 2759,3589 2819,3649 2669.89,3649 2694,3588 2717.24,3508.9 2734.03,3407.22 2737.4,3304.22 2727.3,3201.67 2703.9,3101.31 2675.51,3024
  pour cut-out: 2163.8,2572.25 2163.71,2572.16 2163.71,2489.16 2080.06,2512.17 2006.06,2524.17 1949.43,2526.72 1898.06,2524.17 1836.06,2516.17 1772.06,2501.17 1735.06,2489.35 1735.06,2572.58 1813.09,2554.7 1872.84,2546.14 1949.43,2542.69 2027.28,2546.14 2119.06,2560.17
  pour cut-out: 2359,2671 2562,2848 2502,2919 2297,2740

## Silkscreen, mask and mechanical layers (free items; w line width, h text height)
Top Overlay:
  circle w10: c2489.39,1896.55 r78.74
  circle w10: c1409.23,1896.83 r78.74
  circle w10: c2490,3330 r78.74
  circle w10: c1410,3330 r78.74
  lines w8: 1949.37,1452 1949.37,1896.75
  text "1" at 2260,3950 h60 r68
  text "2" at 2301.75,3923.57 h60 r60
  text "3" at 2340,3885 h60 r53
  text "F" at 2270.68,3816.91 h60 r33
  text "FOC / V1.0" at 2454,3120 h60 r71
  text "zy_bbx" at 1316,3063 h80 r299
  text "G" at 1830,2765 h90
  text "D" at 1902.72,2765 h90
  text "C" at 1973.33,2765 h90
  text "V" at 2042.65,2765 h90
Bottom Overlay:
  circle w8: c1949.37,1896.75 r216.54
  lines w8: 1735,2489.18 1735,2572.41 ; 1735.07,2488.98 cw(c1949.37,1896.63) 2163.65,2488.99 ; 1735.03,2489.09 ccw(c1949.37,1896.75) 2163.69,2489.09 ; 1735.03,2572.51 cw(c1950,3330) 2669.71,3649.41 ; 1735.21,2572.39 ccw(c1950.02,3329.92) 2163.74,2572.08 ; 1948.63,1648.25 1948.63,1731.47 ; 1948.69,1648.42 1948.69,1731.64 ; 2163.74,2489.22 2163.74,2572.08 ; 2669.71,3649 3874,3649 3934,3589 3934,3084 3874,3024 2675.46,3024 ; 2669.89,3649 cw(c1950,3330) 2675.51,3024 ; 2675.55,3023.96 cw(c1950.02,3329.92) 2163.74,2572.08 ; 2819,3024 2759,3084 2759,3589 2819,3649
  text "1" at 1787,3861 h60 r9
  text "2" at 1736,3850 h60 r16
  text "3" at 1687.49,3829.69 h60 r23
  text "V" at 2419,3827 h60 r305
  text "E" at 2445,3787 h60 r302
  text "R" at 2471,3747 h60 r303
  text "X" at 2502,3700 h60 r303
  text "T" at 2529,3662 h60 r305
  text "G" at 2556,3621 h60 r304
Mechanical 1:
  lines w8: 1949.37,1452 1973.61,1452
Mechanical 8:
  lines w0.5: 1170.63,1896.75 1752.52,1896.75 ; 1555.86,1520.33 1591.3,1520.33 1689.72,1520.33 ; 1561.57,2276.46 1660,2276.46 1758.42,2276.46 ; 1689.72,1386.47 1689.72,1421.91 1689.72,1520.33 ; 1689.72,1654.19 1689.72,1618.76 1689.72,1520.33 ; 1758.42,2079.61 1758.42,2178.04 1758.42,2276.46 ; 1758.42,2473.31 1758.42,2374.89 1758.42,2276.46 ; 1823.58,1520.33 1788.15,1520.33 1689.72,1520.33 ; 1850.94,1896.75 1949.37,1896.75 ; 1949.37,1118.01 1949.37,1699.9 ; 1949.37,1798.33 1949.37,1896.75 ; 1949.37,1995.18 1949.37,1896.75 ; 1949.37,2093.6 1949.37,2675.49 ; 1955.27,2276.46 1856.85,2276.46 1758.42,2276.46 ; 2047.79,1896.75 1949.37,1896.75 ; 2075.16,1520.33 2110.59,1520.33 2209.01,1520.33 ; 2209.01,1386.47 2209.01,1421.91 2209.01,1520.33 ; 2209.01,1654.19 2209.01,1618.76 2209.01,1520.33 ; 2342.87,1520.33 2307.44,1520.33 2209.01,1520.33